# Altium PCB PCM2912_CODEC_PANEL.PcbDoc (part 1 of 3)
Units mil, origin at the board's own origin, x right, y up, seen from the top; angles counter-clockwise.
Board outline 3937.01 x 3937.01 mil, 2 copper layers (Top Layer, Bottom Layer); 208 components, 0 nets, 668 pads, 268 vias.
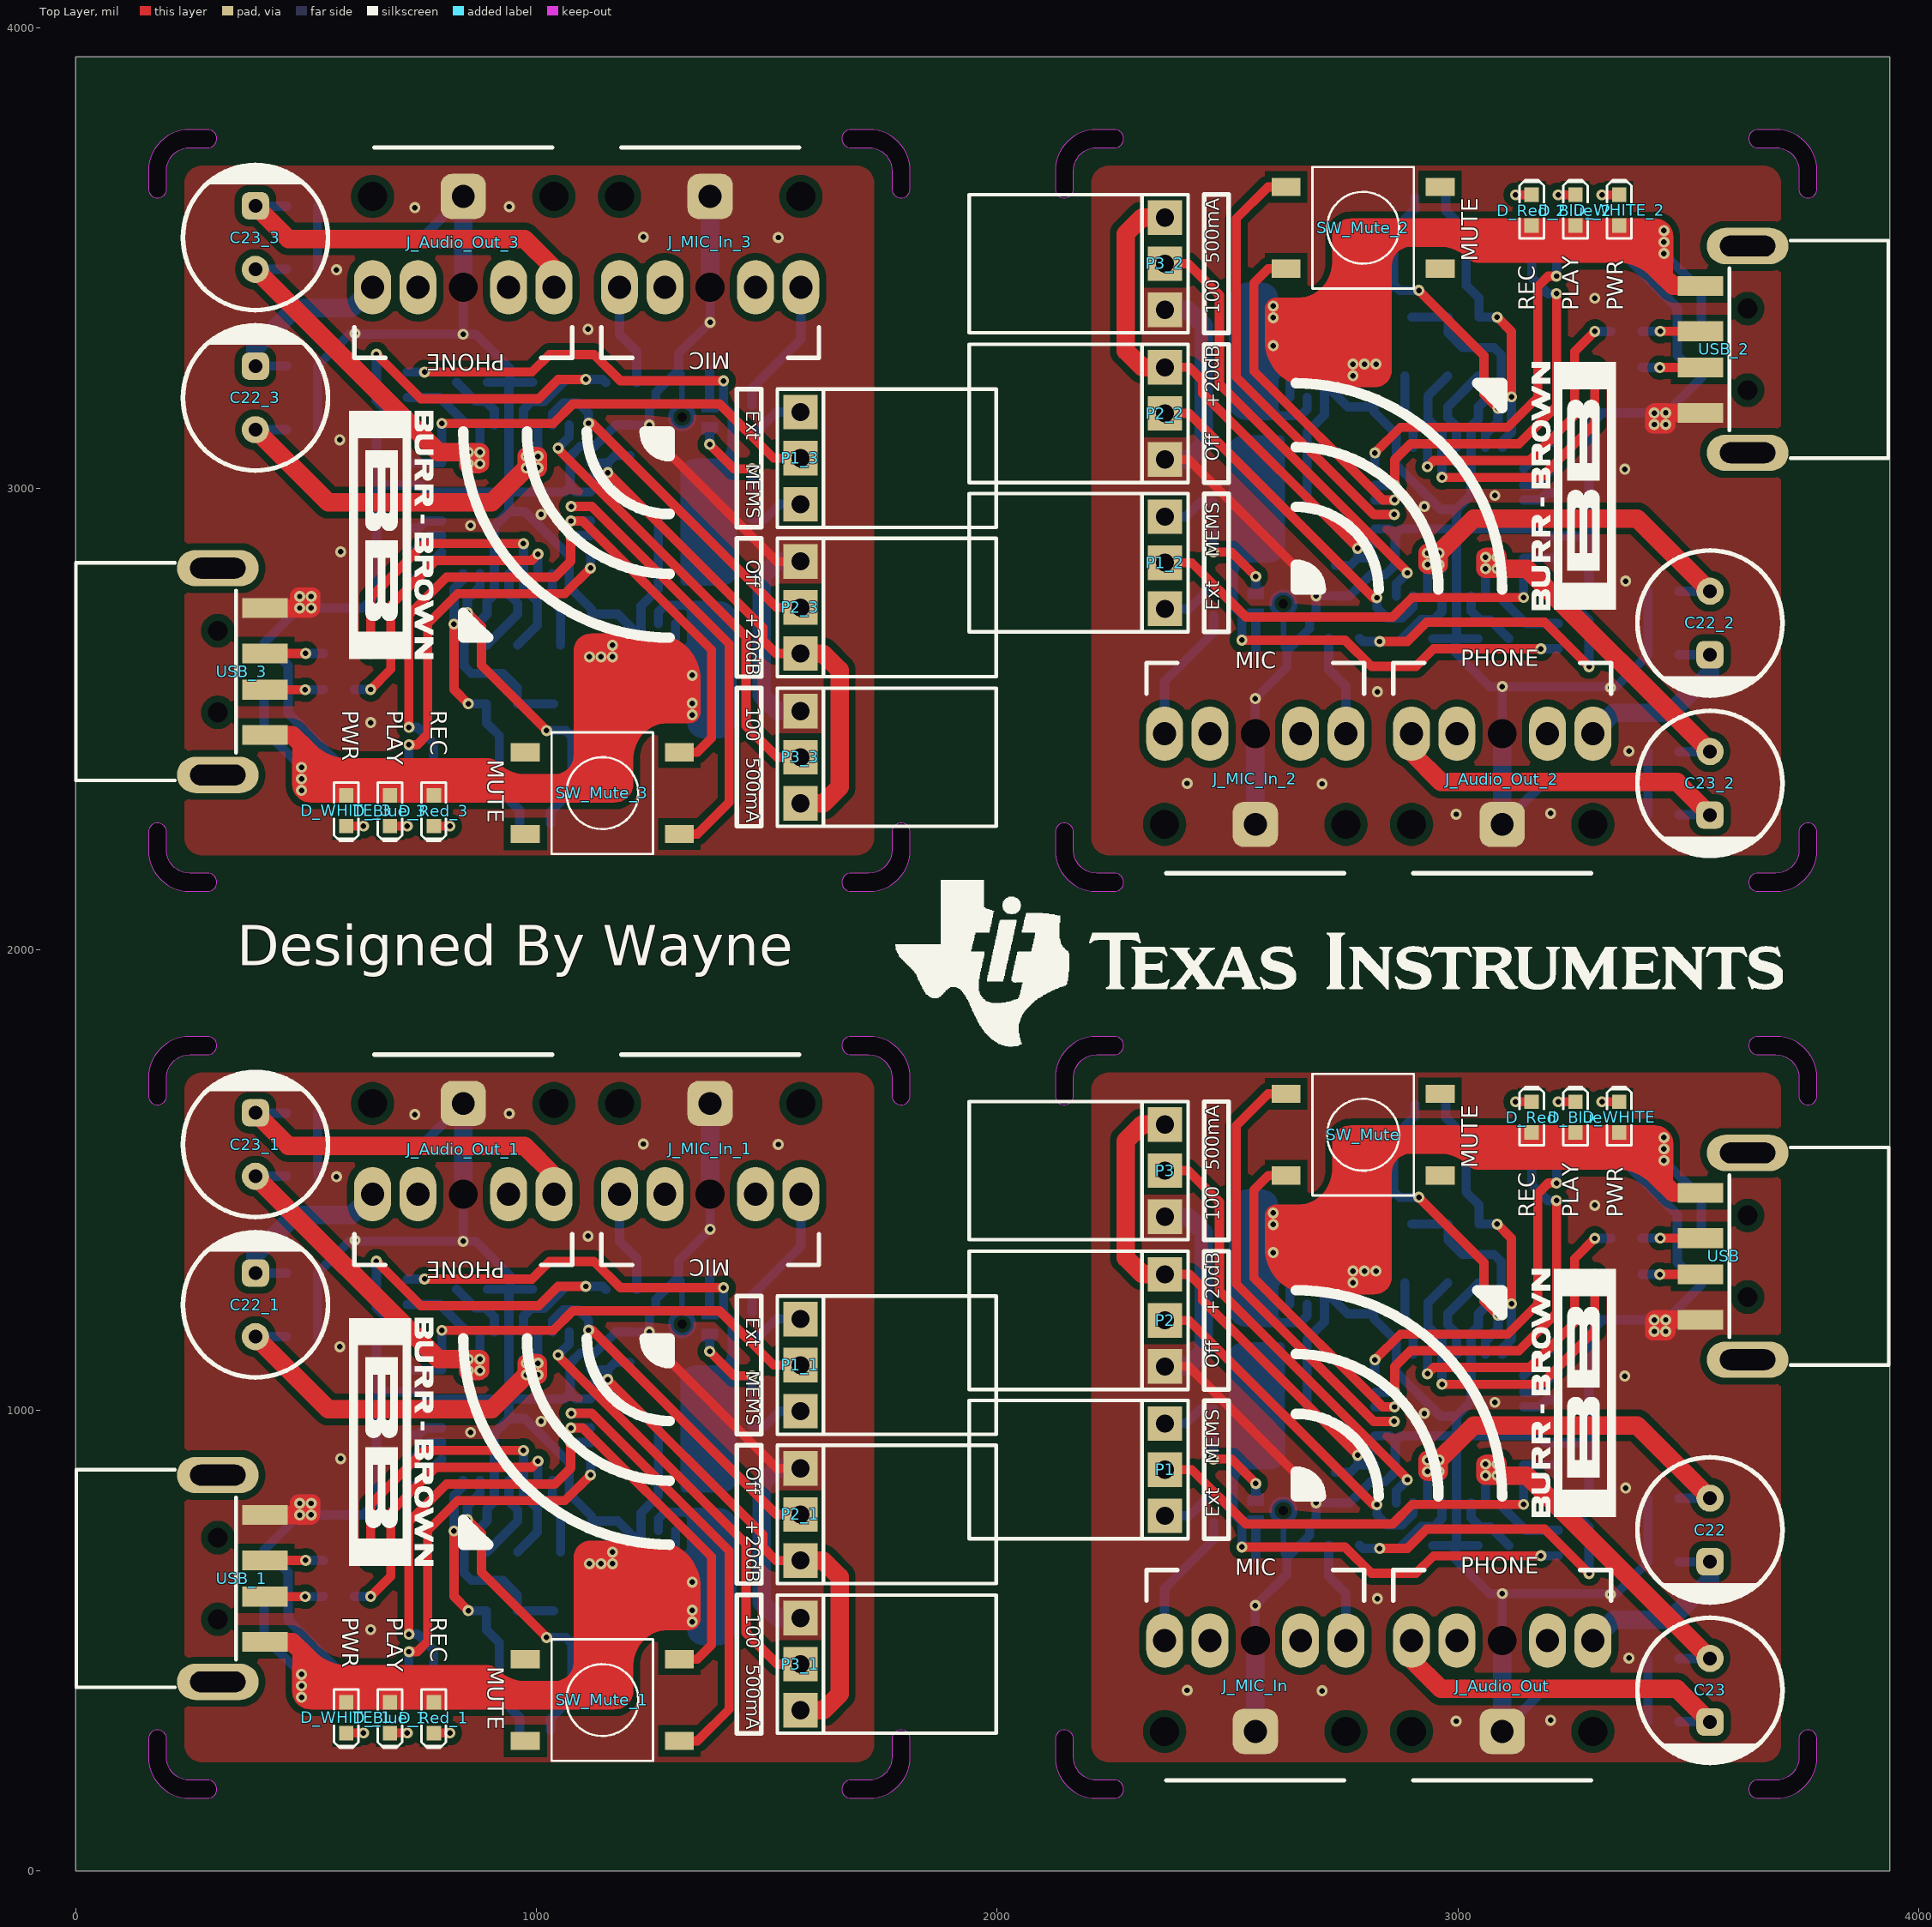
[diagram p0: Top Layer view]
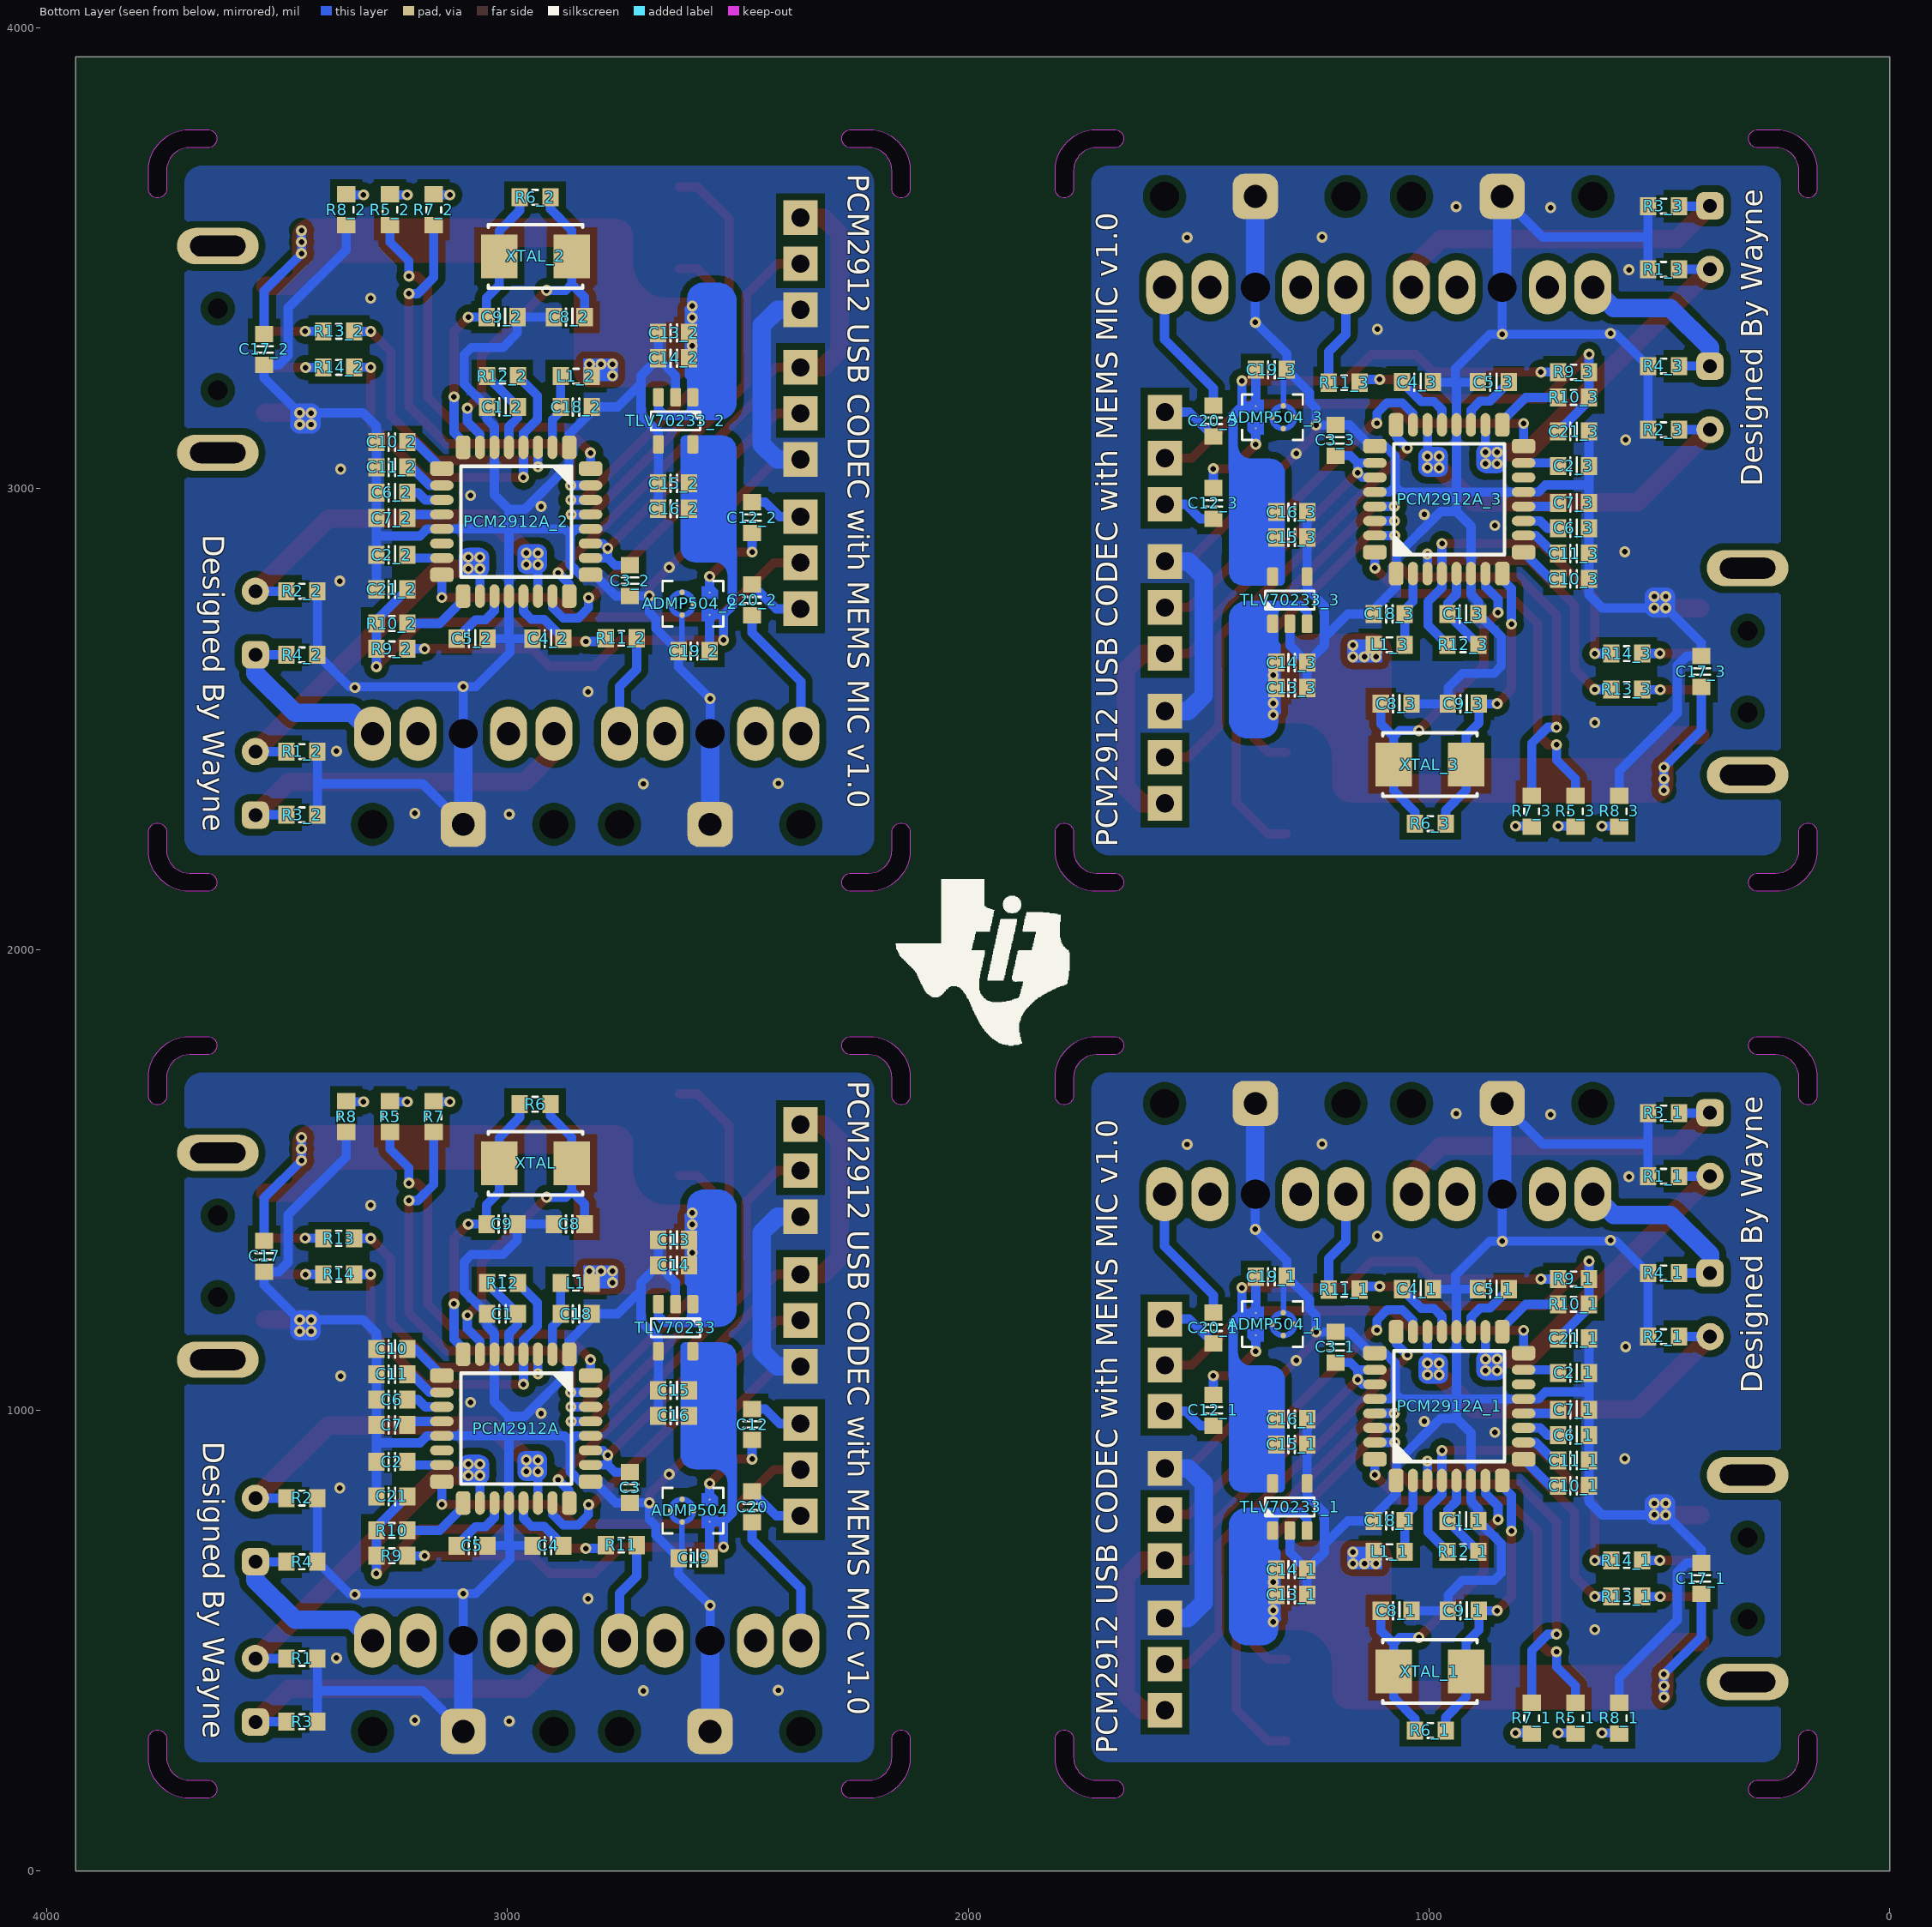
[diagram p1: Bottom Layer view, seen from below]

## Layer stack, top to bottom
Top Solder: solder mask 0.4, Solder Resist, Dk 3.5
Top Layer: signal copper 1.4
Dielectric1: dielectric 12.6, FR-4, Dk 4.8
Bottom Layer: signal copper 1.4
Bottom Solder: solder mask 0.4, Solder Resist, Dk 3.5

## Board outline
0,0 0,3937.01 3937.01,3937.01 3937.01,0
cut-out: 157.48,3650.79 ccw(c177.17,3650.79) 177.17,3631.1 ccw(c177.17,3650.79) 196.85,3650.79 196.85,3690.16 cw(c246.85,3690.16) 246.85,3740.16 286.22,3740.16 ccw(c286.22,3759.84) 305.91,3759.84 ccw(c286.22,3759.84) 286.22,3779.53 246.85,3779.53 ccw(c246.85,3690.16) 157.48,3690.16
cut-out: 286.22,2125.98 ccw(c286.22,2145.67) 305.91,2145.67 ccw(c286.22,2145.67) 286.22,2165.35 246.85,2165.35 cw(c246.85,2215.35) 196.85,2215.35 196.85,2254.72 ccw(c177.17,2254.72) 177.17,2274.41 ccw(c177.17,2254.72) 157.48,2254.72 157.48,2215.35 ccw(c246.85,2215.35) 246.85,2125.98
cut-out: 1811.02,2254.72 ccw(c1791.34,2254.72) 1791.34,2274.41 ccw(c1791.34,2254.72) 1771.65,2254.72 1771.65,2215.35 cw(c1721.65,2215.35) 1721.65,2165.35 1682.28,2165.35 ccw(c1682.28,2145.67) 1662.6,2145.67 ccw(c1682.28,2145.67) 1682.28,2125.98 1721.65,2125.98 ccw(c1721.65,2215.35) 1811.02,2215.35
cut-out: 1682.28,3779.53 ccw(c1682.28,3759.84) 1662.6,3759.84 ccw(c1682.28,3759.84) 1682.28,3740.16 1721.65,3740.16 cw(c1721.65,3690.16) 1771.65,3690.16 1771.65,3650.79 ccw(c1791.34,3650.79) 1791.34,3631.1 ccw(c1791.34,3650.79) 1811.02,3650.79 1811.02,3690.16 ccw(c1721.65,3690.16) 1721.65,3779.53
cut-out: 2125.98,3650.79 ccw(c2145.67,3650.79) 2145.67,3631.1 ccw(c2145.67,3650.79) 2165.35,3650.79 2165.35,3690.16 cw(c2215.35,3690.16) 2215.35,3740.16 2254.72,3740.16 ccw(c2254.72,3759.84) 2274.41,3759.84 ccw(c2254.72,3759.84) 2254.72,3779.53 2215.35,3779.53 ccw(c2215.35,3690.16) 2125.98,3690.16
cut-out: 3650.79,3779.53 ccw(c3650.79,3759.84) 3631.1,3759.84 ccw(c3650.79,3759.84) 3650.79,3740.16 3690.16,3740.16 cw(c3690.16,3690.16) 3740.16,3690.16 3740.16,3650.79 ccw(c3759.84,3650.79) 3759.84,3631.1 ccw(c3759.84,3650.79) 3779.53,3650.79 3779.53,3690.16 ccw(c3690.16,3690.16) 3690.16,3779.53
cut-out: 2254.72,2125.98 ccw(c2254.72,2145.67) 2274.41,2145.67 ccw(c2254.72,2145.67) 2254.72,2165.35 2215.35,2165.35 cw(c2215.35,2215.35) 2165.35,2215.35 2165.35,2254.72 ccw(c2145.67,2254.72) 2145.67,2274.41 ccw(c2145.67,2254.72) 2125.98,2254.72 2125.98,2215.35 ccw(c2215.35,2215.35) 2215.35,2125.98
cut-out: 3779.53,2254.72 ccw(c3759.84,2254.72) 3759.84,2274.41 ccw(c3759.84,2254.72) 3740.16,2254.72 3740.16,2215.35 cw(c3690.16,2215.35) 3690.16,2165.35 3650.79,2165.35 ccw(c3650.79,2145.67) 3631.1,2145.67 ccw(c3650.79,2145.67) 3650.79,2125.98 3690.16,2125.98 ccw(c3690.16,2215.35) 3779.53,2215.35
cut-out: 3650.79,1811.02 ccw(c3650.79,1791.34) 3631.1,1791.34 ccw(c3650.79,1791.34) 3650.79,1771.65 3690.16,1771.65 cw(c3690.16,1721.65) 3740.16,1721.65 3740.16,1682.28 ccw(c3759.84,1682.28) 3759.84,1662.6 ccw(c3759.84,1682.28) 3779.53,1682.28 3779.53,1721.65 ccw(c3690.16,1721.65) 3690.16,1811.02
cut-out: 2125.98,1682.28 ccw(c2145.67,1682.28) 2145.67,1662.6 ccw(c2145.67,1682.28) 2165.35,1682.28 2165.35,1721.65 cw(c2215.35,1721.65) 2215.35,1771.65 2254.72,1771.65 ccw(c2254.72,1791.34) 2274.41,1791.34 ccw(c2254.72,1791.34) 2254.72,1811.02 2215.35,1811.02 ccw(c2215.35,1721.65) 2125.98,1721.65
cut-out: 1682.28,1811.02 ccw(c1682.28,1791.34) 1662.6,1791.34 ccw(c1682.28,1791.34) 1682.28,1771.65 1721.65,1771.65 cw(c1721.65,1721.65) 1771.65,1721.65 1771.65,1682.28 ccw(c1791.34,1682.28) 1791.34,1662.6 ccw(c1791.34,1682.28) 1811.02,1682.28 1811.02,1721.65 ccw(c1721.65,1721.65) 1721.65,1811.02
cut-out: 157.48,1682.28 ccw(c177.17,1682.28) 177.17,1662.6 ccw(c177.17,1682.28) 196.85,1682.28 196.85,1721.65 cw(c246.85,1721.65) 246.85,1771.65 286.22,1771.65 ccw(c286.22,1791.34) 305.91,1791.34 ccw(c286.22,1791.34) 286.22,1811.02 246.85,1811.02 ccw(c246.85,1721.65) 157.48,1721.65
cut-out: 286.22,157.48 ccw(c286.22,177.17) 305.91,177.17 ccw(c286.22,177.17) 286.22,196.85 246.85,196.85 cw(c246.85,246.85) 196.85,246.85 196.85,286.22 ccw(c177.17,286.22) 177.17,305.91 ccw(c177.17,286.22) 157.48,286.22 157.48,246.85 ccw(c246.85,246.85) 246.85,157.48
cut-out: 1811.02,286.22 ccw(c1791.34,286.22) 1791.34,305.91 ccw(c1791.34,286.22) 1771.65,286.22 1771.65,246.85 cw(c1721.65,246.85) 1721.65,196.85 1682.28,196.85 ccw(c1682.28,177.17) 1662.6,177.17 ccw(c1682.28,177.17) 1682.28,157.48 1721.65,157.48 ccw(c1721.65,246.85) 1811.02,246.85
cut-out: 2254.72,157.48 ccw(c2254.72,177.17) 2274.41,177.17 ccw(c2254.72,177.17) 2254.72,196.85 2215.35,196.85 cw(c2215.35,246.85) 2165.35,246.85 2165.35,286.22 ccw(c2145.67,286.22) 2145.67,305.91 ccw(c2145.67,286.22) 2125.98,286.22 2125.98,246.85 ccw(c2215.35,246.85) 2215.35,157.48
cut-out: 3779.53,286.22 ccw(c3759.84,286.22) 3759.84,305.91 ccw(c3759.84,286.22) 3740.16,286.22 3740.16,246.85 cw(c3690.16,246.85) 3690.16,196.85 3650.79,196.85 ccw(c3650.79,177.17) 3631.1,177.17 ccw(c3650.79,177.17) 3650.79,157.48 3690.16,157.48 ccw(c3690.16,246.85) 3779.53,246.85

## Design rules (kind name [scope] priority, off if disabled: settings)
Clearance [All] p1: gap=7
ComponentClearance [All] p1 off: gap=10 collisioncheckmode=3 verticalgap=10 showdistances=FALSE
PolygonConnect [All] p1: connectstyle=Relief reliefconductorwidth=10 reliefentries=4 polygonreliefangle="90 Angle" airgapwidth=10
RoutingVias [All] p1: holewidth=28 width=50 viastyle="Through Hole" minholewidth=12 minwidth=24 maxholewidth=28 maxwidth=50
ShortCircuit [All] p1 off: allowed=FALSE
SilkToSilkClearance [All] p1 off: silktosilkclearance=10
SilkToSolderMaskClearance [IsPad] p1 off: minsilkscreentomaskgap=10 clearancetoexposedcopper=TRUE
SolderMaskExpansion [All] p1: expansion=-1
Width [All] p1: maxlimit=40 minlimit=10 preferedwidth=25
25 further rules are at their usual default settings.

## Components (designator, comment, footprint, x,y, rotation, side; value= is the part's Value field where it differs from the comment)
ADMP504 "ADMP504" ADMP504 2561.16,781.85 r0 bottom
ADMP504_1 "ADMP504" ADMP504 1375.85,1186.65 r180 bottom (schematic designator ADMP504)
ADMP504_2 "ADMP504" ADMP504 2561.16,2750.35 r0 bottom (schematic designator ADMP504)
ADMP504_3 "ADMP504" ADMP504 1375.85,3155.16 r180 bottom (schematic designator ADMP504)
C1 "Cap_0603" CAP_0603 3011.16,1208.85 r180 bottom
C1_1 "Cap_0603" CAP_0603 925.85,759.65 r0 bottom (schematic designator C1)
C1_2 "Cap_0603" CAP_0603 3011.16,3177.35 r180 bottom (schematic designator C1)
C1_3 "Cap_0603" CAP_0603 925.85,2728.16 r0 bottom (schematic designator C1)
C2 "Cap_0603" CAP_0603 3251.16,887.85 r180 bottom
C2_1 "Cap_0603" CAP_0603 685.85,1080.65 r0 bottom (schematic designator C2)
C2_2 "Cap_0603" CAP_0603 3251.16,2856.35 r180 bottom (schematic designator C2)
C2_3 "Cap_0603" CAP_0603 685.85,3049.16 r0 bottom (schematic designator C2)
C3 "Cap_0603" CAP_0603 2734.16,831.85 r90 bottom
C3_1 "Cap_0603" CAP_0603 1202.85,1136.65 r270 bottom (schematic designator C3)
C3_2 "Cap_0603" CAP_0603 2734.16,2800.35 r90 bottom (schematic designator C3)
C3_3 "Cap_0603" CAP_0603 1202.85,3105.16 r270 bottom (schematic designator C3)
C4 "Cap_0603" CAP_0603 2912.16,705.85 r180 bottom
C4_1 "Cap_0603" CAP_0603 1024.85,1262.65 r0 bottom (schematic designator C4)
C4_2 "Cap_0603" CAP_0603 2912.16,2674.35 r180 bottom (schematic designator C4)
C4_3 "Cap_0603" CAP_0603 1024.85,3231.16 r0 bottom (schematic designator C4)
C5 "Cap_0603" CAP_0603 3077.16,705.85 r0 bottom
C5_1 "Cap_0603" CAP_0603 859.85,1262.65 r180 bottom (schematic designator C5)
C5_2 "Cap_0603" CAP_0603 3077.16,2674.35 r0 bottom (schematic designator C5)
C5_3 "Cap_0603" CAP_0603 859.85,3231.16 r180 bottom (schematic designator C5)
C6 "Cap_0603" CAP_0603 3251.16,1022.85 r180 bottom
C6_1 "Cap_0603" CAP_0603 685.85,945.65 r0 bottom (schematic designator C6)
C6_2 "Cap_0603" CAP_0603 3251.16,2991.35 r180 bottom (schematic designator C6)
C6_3 "Cap_0603" CAP_0603 685.85,2914.16 r0 bottom (schematic designator C6)
C7 "Cap_0603" CAP_0603 3251.16,967.85 r180 bottom
C7_1 "Cap_0603" CAP_0603 685.85,1000.65 r0 bottom (schematic designator C7)
C7_2 "Cap_0603" CAP_0603 3251.16,2936.35 r180 bottom (schematic designator C7)
C7_3 "Cap_0603" CAP_0603 685.85,2969.16 r0 bottom (schematic designator C7)
C8 "Cap_0603" CAP_0603 2866.16,1403.85 r180 bottom
C8_1 "Cap_0603" CAP_0603 1070.85,564.65 r0 bottom (schematic designator C8)
C8_2 "Cap_0603" CAP_0603 2866.16,3372.35 r180 bottom (schematic designator C8)
C8_3 "Cap_0603" CAP_0603 1070.85,2533.16 r0 bottom (schematic designator C8)
C9 "Cap_0603" CAP_0603 3012.16,1403.85 r0 bottom
C9_1 "Cap_0603" CAP_0603 924.85,564.65 r180 bottom (schematic designator C9)
C9_2 "Cap_0603" CAP_0603 3012.16,3372.35 r0 bottom (schematic designator C9)
C9_3 "Cap_0603" CAP_0603 924.85,2533.16 r180 bottom (schematic designator C9)
C10 "Cap_0603" CAP_0603 3251.16,1132.85 r180 bottom
C10_1 "Cap_0603" CAP_0603 685.85,835.65 r0 bottom (schematic designator C10)
C10_2 "Cap_0603" CAP_0603 3251.16,3101.35 r180 bottom (schematic designator C10)
C10_3 "Cap_0603" CAP_0603 685.85,2804.16 r0 bottom (schematic designator C10)
C11 "Cap_0603" CAP_0603 3251.16,1077.85 r180 bottom
C11_1 "Cap_0603" CAP_0603 685.85,890.65 r0 bottom (schematic designator C11)
C11_2 "Cap_0603" CAP_0603 3251.16,3046.35 r180 bottom (schematic designator C11)
C11_3 "Cap_0603" CAP_0603 685.85,2859.16 r0 bottom (schematic designator C11)
C12 "Cap_0603" CAP_0603 2469.16,968.85 r270 bottom
C12_1 "Cap_0603" CAP_0603 1467.85,999.65 r90 bottom (schematic designator C12)
C12_2 "Cap_0603" CAP_0603 2469.16,2937.35 r270 bottom (schematic designator C12)
C12_3 "Cap_0603" CAP_0603 1467.85,2968.16 r90 bottom (schematic designator C12)
C13 "Cap_0603" CAP_0603 2639.16,1369.6 r0 bottom
C13_1 "Cap_0603" CAP_0603 1297.85,598.91 r180 bottom (schematic designator C13)
C13_2 "Cap_0603" CAP_0603 2639.16,3338.1 r0 bottom (schematic designator C13)